# Altium PCB ADCS_PCB_2.PcbDoc (part 2 of 3) (continued)
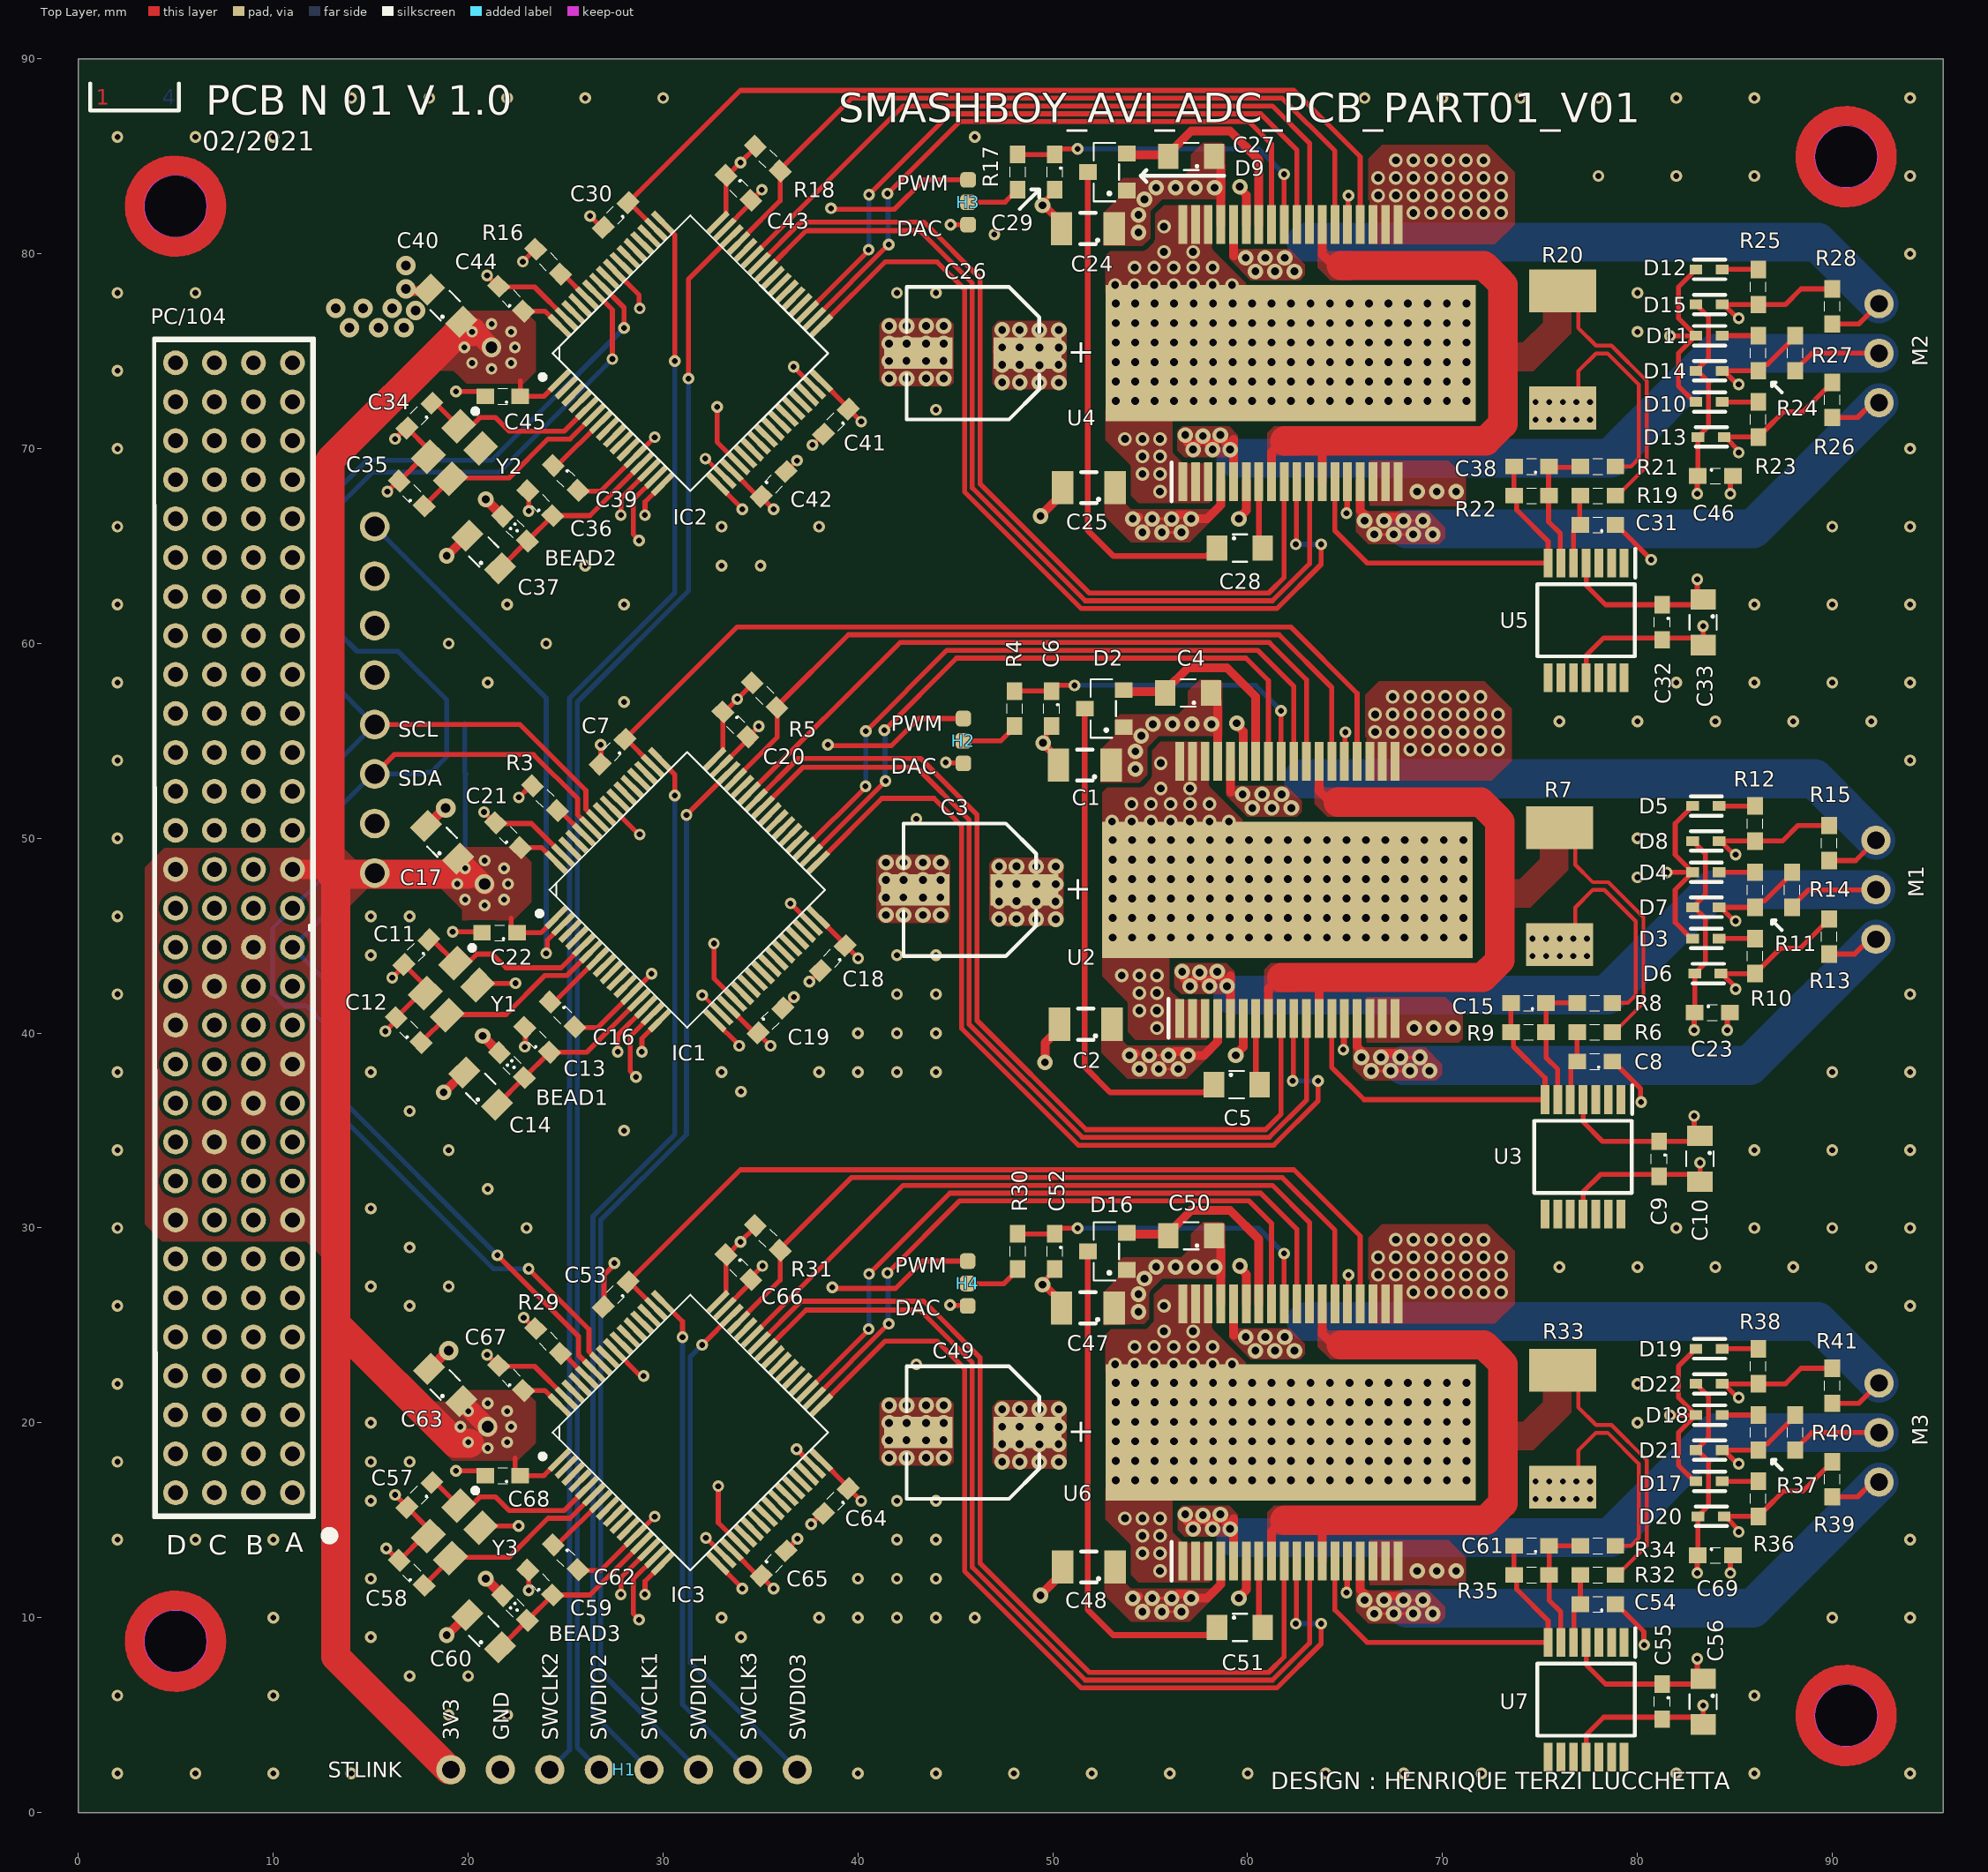
[diagram p0: Top Layer view]
## Nets (pads, with @x,y where several pads share a name; then routed paths per layer and width w, separated by ;. In a path a pad name is that pad's centre, name@x,y a point inside that pad or via, vN(x,y) a via of type N, cw(c..) or ccw(c..) an arc to the next point about the centre after c; other vN are vias at no path point) (continued)
  Top Layer w0.254: R13.2@89.84,44.06 91.143,44.06 91.903,44.82 M1.1@92.24,44.82
  Top Layer w0.45: U2.15@65.615,40.76 65.615,39.301 v3@65.879,39.038 ; v3(66.835,38.765) 66.835,38.865 66.935,38.965 67.541,38.965 67.741,38.765 v3(67.835,38.765)
  Bottom Layer w2: 68.01,38.341 85.761,38.341 M1.1@92.24,44.82
M1_V: M1.2 R14.2 U2.5 | length 46.7
  Top Layer w0.254: R14.2@87.94,46.46 87.94,46.51 88.79,47.36 M1.2@92.24,47.36
  Top Layer w0.45: v3(56.64,43.16) 56.707,43.093 56.707,42.842 57.04,42.509 v3(57.04,42.414) 57.107,42.481 57.107,42.586 57.54,43.019 v3(57.54,43.114) 57.607,43.047 57.607,42.942 58.04,42.509 v3(58.04,42.414) 58.107,42.481 58.107,42.732 58.44,43.065 v3(58.44,43.16) 58.507,43.093 58.507,42.998 58.873,42.632 58.873,42.481 v3(58.94,42.414) ; U2.5@59.115,40.76 59.115,42.315 59.117,42.317 59.117,42.95
  Bottom Layer w2: 59.224,41.96 78.44,41.96 83.84,47.36 M1.2@92.24,47.36
M1_W: M1.3 R15.2 U2.32 | length 35.1
  Top Layer w0.254: R15.2@89.84,48.86 91.2,48.86 M1.3@92.24,49.9
  Top Layer w0.45: U2.32@59.115,53.96 59.115,52.385 59.14,52.36
  Bottom Layer w2: 62.841,53.06 89.08,53.06 M1.3@92.24,49.9
  other v3: 60.24,51.56 61.24,51.56 62.24,51.56 59.74,52.26 60.74,52.26 61.74,52.26
M2_U: M2.1 R26.2 U4.15 | length 38.5
  Top Layer w0.127: v3(66,66.3) 66,66.2 66.5,65.7 v3(66.5,65.6) 66.503,65.603 67.493,65.603 v3(67.495,65.605) v3(68.495,65.605) 68.495,65.705 67.995,66.205 v3(67.995,66.305) 68.795,66.305 v3@68.97,66.13 ; v3(68.995,66.305) 68.995,66.155 69.045,66.155 69.495,65.705 v3(69.495,65.605)
  Top Layer w0.254: R26.2@90,71.6 91.303,71.6 92.063,72.36 M2.1@92.4,72.36
  Top Layer w0.45: U4.15@65.775,68.3 65.775,66.842 v3@66.039,66.578 ; v3(66.995,66.305) 66.995,66.405 67.095,66.505 67.701,66.505 67.901,66.305 v3(67.995,66.305)
  Bottom Layer w2: 68.17,65.881 85.921,65.881 M2.1@92.4,72.36
M2_V: M2.2 R27.2 U4.5 | length 46.7
  Top Layer w0.254: R27.2@88.1,74 88.1,74.05 88.95,74.9 M2.2@92.4,74.9
  Top Layer w0.45: v3(56.8,70.7) 56.867,70.633 56.867,70.382 57.2,70.049 v3(57.2,69.954) 57.267,70.021 57.267,70.126 57.7,70.559 v3(57.7,70.654) 57.767,70.587 57.767,70.482 58.2,70.049 v3(58.2,69.954) 58.267,70.021 58.267,70.272 58.6,70.605 v3(58.6,70.7) 58.667,70.633 58.667,70.538 59.033,70.172 59.033,70.021 v3(59.1,69.954) ; U4.5@59.275,68.3 59.275,69.855 59.277,69.857 59.277,70.49
  Bottom Layer w2: 59.384,69.5 78.6,69.5 84,74.9 M2.2@92.4,74.9
M2_W: M2.3 R28.2 U4.32 | length 35.1
  Top Layer w0.254: R28.2@90,76.4 91.36,76.4 M2.3@92.4,77.44
  Top Layer w0.45: U4.32@59.275,81.5 59.275,79.925 59.3,79.9
  Bottom Layer w2: 63.001,80.6 89.24,80.6 M2.3@92.4,77.44
  other v3: 60.4,79.1 61.4,79.1 62.4,79.1 59.9,79.8 60.9,79.8 61.9,79.8
M3_U: M3.1 R39.2 U6.15 | length 38.5
  Top Layer w0.127: v3(66,10.9) 66,10.8 66.5,10.3 v3(66.5,10.2) 66.503,10.203 67.493,10.203 v3(67.495,10.205) v3(68.495,10.205) 68.495,10.305 67.995,10.805 v3(67.995,10.905) 68.795,10.905 v3@68.97,10.73 ; v3(68.995,10.905) 68.995,10.755 69.045,10.755 69.495,10.305 v3(69.495,10.205)
  Top Layer w0.254: R39.2@90,16.2 91.303,16.2 92.063,16.96 M3.1@92.4,16.96
  Top Layer w0.45: U6.15@65.775,12.9 65.775,11.442 v3@66.039,11.178 ; v3(66.995,10.905) 66.995,11.005 67.095,11.105 67.701,11.105 67.901,10.905 v3(67.995,10.905)
  Bottom Layer w2: 68.17,10.481 85.921,10.481 M3.1@92.4,16.96
M3_V: M3.2 R40.2 U6.5 | length 46.7
  Top Layer w0.254: R40.2@88.1,18.6 88.1,18.65 88.95,19.5 M3.2@92.4,19.5
  Top Layer w0.45: v3(56.8,15.3) 56.867,15.233 56.867,14.982 57.2,14.649 v3(57.2,14.554) 57.267,14.621 57.267,14.726 57.7,15.159 v3(57.7,15.254) 57.767,15.187 57.767,15.082 58.2,14.649 v3(58.2,14.554) 58.267,14.621 58.267,14.872 58.6,15.205 v3(58.6,15.3) 58.667,15.233 58.667,15.138 59.033,14.772 59.033,14.621 v3(59.1,14.554) ; U6.5@59.275,12.9 59.275,14.455 59.277,14.457 59.277,15.09
  Bottom Layer w2: 59.384,14.1 78.6,14.1 84,19.5 M3.2@92.4,19.5
M3_W: M3.3 R41.2 U6.32 | length 35.1
  Top Layer w0.254: R41.2@90,21 91.36,21 M3.3@92.4,22.04
  Top Layer w0.45: U6.32@59.275,26.1 59.275,24.525 59.3,24.5
  Bottom Layer w2: 63.001,25.2 89.24,25.2 M3.3@92.4,22.04
  other v3: 60.4,23.7 61.4,23.7 62.4,23.7 59.9,24.4 60.9,24.4 61.9,24.4
NetC4_2: C4.2 D2.2 U2.30 | length 11.4
  Top Layer w0.45: D2.2@53.64,57.61 53.715,57.535 55.69,57.535 C4.2@55.765,57.46 ; C4.2@55.772,57.453 55.772,57.592 56.94,58.76 58.94,58.76 60.415,57.285 U2.30@60.415,53.96
NetC5_1: C5.1 D2.3 | length 25.5
  Top Layer w0.3: D2.3@51.64,56.66 51.64,38.26 52.94,36.96 57.514,36.96 57.74,36.96 C5.1@58.04,37.26
NetC5_2: C5.2 U2.7 | length 3.1
  Top Layer w0.3: C5.2@60.34,37.66 60.415,37.735 U2.7@60.415,40.76
NetC6_1: C6.1 R4.1 U2.28 | length 16.9
  Top Layer w0.254: R4.1@48.04,57.56 C6.1@49.94,57.56 49.94,57.577 50.213,57.85 v2(51.11,57.85) ; v2(61.71,56.55) 61.712,56.548 61.712,53.963 U2.28@61.715,53.96
  Bottom Layer w0.254: v2(51.11,57.85) 60.41,57.85 v2(61.71,56.55)
NetC8_2: C8.2 R6.2 U3.5 | length 3.8
  Top Layer w0.254: U3.5@76.51,36.45 76.587,36.527 76.587,38.277 76.86,38.55 C8.2@76.91,38.55 R6.2@76.91,40.05
NetC15_1: C15.1 R8.2 R9.1 U3.6 | length 6.8
  Top Layer w0.254: R9.1@75.31,40.05 75.31,38.75 75.91,38.15 U3.6@75.91,36.588 ; R9.1@75.31,40.1 C15.1@75.31,41.55 R8.2@76.91,41.55
NetC27_2: C27.2 D9.2 U4.30 | length 11.4
  Top Layer w0.45: D9.2@53.8,85.15 53.875,85.075 55.85,85.075 C27.2@55.925,85 ; C27.2@55.932,84.993 55.932,85.132 57.1,86.3 59.1,86.3 60.575,84.825 U4.30@60.575,81.5
NetC28_1: C28.1 D9.3 | length 25.5
  Top Layer w0.3: D9.3@51.8,84.2 51.8,65.8 53.1,64.5 57.674,64.5 ; 57.674,64.5 57.9,64.5 C28.1@58.2,64.8
NetC28_2: C28.2 U4.7 | length 3.1
  Top Layer w0.3: C28.2@60.5,65.2 60.575,65.275 U4.7@60.575,68.3
NetC29_1: C29.1 R17.1 U4.28 | length 16.9
  Top Layer w0.254: R17.1@48.2,85.1 C29.1@50.1,85.1 50.1,85.117 50.373,85.39 v2(51.27,85.39) ; v2(61.87,84.09) 61.873,84.088 61.873,81.502 U4.28@61.875,81.5
  Bottom Layer w0.254: v2(51.27,85.39) 60.57,85.39 v2(61.87,84.09)
NetC31_2: C31.2 R19.2 U5.5 | length 3.8
  Top Layer w0.254: U5.5@76.643,63.951 76.72,64.028 76.72,65.778 76.993,66.051 77.043,66.051 R19.2@77.043,67.551
NetC38_1: C38.1 R21.2 R22.1 U5.6 | length 6.8
  Top Layer w0.254: R22.1@75.443,67.551 75.443,66.251 76.043,65.651 U5.6@76.043,64.089 ; R22.1@75.443,67.601 75.443,69.051 R21.2@77.043,69.051
NetC50_2: C50.2 D16.2 U6.30 | length 11.4
  Top Layer w0.45: D16.2@53.8,29.75 53.875,29.675 55.85,29.675 C50.2@55.925,29.6 ; C50.2@55.932,29.593 55.932,29.732 57.1,30.9 59.1,30.9 60.575,29.425 U6.30@60.575,26.1
NetC51_1: C51.1 D16.3 | length 25.5
  Top Layer w0.3: D16.3@51.8,28.8 51.8,10.4 53.1,9.1 57.674,9.1 57.9,9.1 C51.1@58.2,9.4
NetC51_2: C51.2 U6.7 | length 3.1
  Top Layer w0.3: C51.2@60.5,9.8 60.575,9.875 U6.7@60.575,12.9
NetC52_1: C52.1 R30.1 U6.28 | length 16.9
  Top Layer w0.254: R30.1@48.2,29.7 C52.1@50.1,29.7 50.1,29.717 50.373,29.99 v2(51.27,29.99) ; v2(61.87,28.69) 61.873,28.688 61.873,26.103 U6.28@61.875,26.1
  Bottom Layer w0.254: v2(51.27,29.99) 60.57,29.99 v2(61.87,28.69)
NetC54_2: C54.2 R32.2 U7.5 | length 3.8
  Top Layer w0.254: U7.5@76.67,8.59 76.747,8.667 76.747,10.417 77.02,10.69 C54.2@77.07,10.69 R32.2@77.07,12.19
NetC61_1: C61.1 R34.2 R35.1 U7.6 | length 6.8
  Top Layer w0.254: R35.1@75.47,12.19 75.47,10.89 76.07,10.29 U7.6@76.07,8.728 ; R35.1@75.47,12.24 C61.1@75.47,13.69 R34.2@77.07,13.69
NetD3_1: D3.1 R10.2 | length 1.8
  Top Layer w0.254: D3.1@84.19,44.86 R10.2@86.04,44.86
NetD4_1: D4.1 R11.2 | length 1.8
  Top Layer w0.254: D4.1@84.19,48.26 R11.2@86.04,48.26
NetD5_1: D5.1 R12.2 | length 1.8
  Top Layer w0.254: D5.1@84.19,51.66 R12.2@86.04,51.66
NetD10_1: D10.1 R23.2 | length 1.9
  Top Layer w0.254: D10.1@84.35,72.4 R23.2@86.2,72.4
NetD11_1: D11.1 R24.2 | length 1.8
  Top Layer w0.254: D11.1@84.35,75.8 R24.2@86.2,75.8
NetD12_1: D12.1 R25.2 | length 1.8
  Top Layer w0.254: D12.1@84.35,79.2 R25.2@86.2,79.2
NetD17_1: D17.1 R36.2 | length 1.8
  Top Layer w0.254: D17.1@84.35,17 R36.2@86.2,17
NetD18_1: D18.1 R37.2 | length 1.8
  Top Layer w0.254: D18.1@84.35,20.4 R37.2@86.2,20.4
NetD19_1: D19.1 R38.2 | length 1.8
  Top Layer w0.254: D19.1@84.35,23.8 R38.2@86.2,23.8
NetH1_3: H1.3 IC2.49 | length 82.3
  Top Layer w0.254: IC2.49@29.986,81.618 29.986,81.585 30.6,80.971 v2(30.6,74.5)
  Bottom Layer w0.254: H1.3@24.19,2.2 25.2,3.21 25.2,57.2 30.6,62.6 v2(30.6,74.5)
NetH1_4: H1.4 IC2.46 | length 82.4
  Top Layer w0.254: v2(31.3,73.6) 31.3,78.689 IC2.46@33.521,80.91
  Bottom Layer w0.254: H1.4@26.6,2.2 26.6,2.33 25.6,3.33 25.6,57 31.3,62.7 v2(31.3,73.6)
NetH1_5: H1.5 IC1.49 | length 55.1
  Top Layer w0.254: IC1.49@29.826,54.078 29.826,54.045 30.6,53.271 v2(30.6,52.2)
  Bottom Layer w0.254: H1.5@29.27,2.2 26.4,5.07 26.4,30.6 30.6,34.8 v2(30.6,52.2)
NetH1_6: H1.6 IC1.46 | length 56
  Top Layer w0.254: v2(31.2,51.2) 31.2,51.205 33.361,53.366 IC1.46@33.361,53.37
  Bottom Layer w0.254: v2(31.2,51.2) 31.2,34.8 26.8,30.4 26.8,7.21 H1.6@31.81,2.2
NetH1_7: H1.7 IC3.49 | length 25.8
  Top Layer w0.254: IC3.49@29.986,26.218 31,25.203 v2(31,24.4)
  Bottom Layer w0.254: v2(31,24.4) 31,5.55 H1.7@34.35,2.2
NetH1_8: H1.8 IC3.46 | length 26.5
  Top Layer w0.254: v2(32,24) 32.005,24 33.516,25.51 IC3.46@33.521,25.51
  Bottom Layer w0.254: v2(32,24) 31.4,23.4 31.4,7.69 H1.8@36.89,2.2
NetIC1_2: IC1.2 U1.8 | length 27.4
  Top Layer w0.254: v2(24,44.1) 24.065,44.165 24.065,44.781 IC1.2@24.876,45.592
  Bottom Layer w0.254: U1.8@15.2,66 24,57.2 v2(24,44.1)
NetIC1_60: IC1.60 R3.1 | length 1.9
  Top Layer w0.254: R3.1@24.576,51.424 24.701,51.424 IC1.60@25.937,50.188
NetIC2_60: IC2.60 R16.1 | length 1.9
  Top Layer w0.254: R16.1@24.736,78.964 24.861,78.964 IC2.60@26.097,77.728
NetIC3_60: IC3.60 R29.1 | length 1.9
  Top Layer w0.254: R29.1@24.736,23.564 24.854,23.564 26.089,22.328 IC3.60@26.097,22.328
NRST1: C16.1 IC1.7 | length 3.4
  Top Layer w0.254: C16.1@24.204,41.596 24.416,41.596 IC1.7@26.644,43.824
NRST2: C39.1 IC2.7 | length 3.4
  Top Layer w0.254: C39.1@24.364,69.136 24.576,69.136 IC2.7@26.804,71.364
NRST3: C62.1 IC3.7 | length 3.4
  Top Layer w0.254: C62.1@24.364,13.736 24.576,13.736 IC3.7@26.804,15.964
OSC_IN1: C11.1 IC1.5 Y1.1 | length 9.4
  Top Layer w0.254: C11.1@17.976,44.796 18.159,44.796 Y1.1@19.352,43.604 19.986,43.604 20.442,44.06 21.24,44.06 21.94,43.36 24.765,43.36 IC1.5@25.937,44.532
OSC_IN2: C34.1 IC2.5 Y2.1 | length 9.4
  Top Layer w0.254: C34.1@18.136,72.336 18.319,72.336 Y2.1@19.512,71.144 20.146,71.144 20.602,71.6 21.4,71.6 22.1,70.9 24.925,70.9 IC2.5@26.097,72.072
OSC_IN3: C57.1 IC3.5 Y3.1 | length 9.4
  Top Layer w0.254: C57.1@18.136,16.936 18.319,16.936 Y3.1@19.512,15.744 20.146,15.744 20.602,16.2 21.4,16.2 22.1,15.5 24.925,15.5 IC3.5@26.097,16.672
OSC_OUT1: C12.1 IC1.6 Y1.3 | length 10.7
  Top Layer w0.254: C12.1@17.576,39.524 18.928,40.875 Y1.3@18.928,40.916 19.561,40.916 19.65,41.005 19.695,40.96 21.94,40.96 23.94,42.96 25.072,42.96 IC1.6@26.29,44.178
OSC_OUT2: C35.1 IC2.6 Y2.3 | length 10.7
  Top Layer w0.254: C35.1@17.736,67.064 19.088,68.415 Y2.3@19.088,68.456 19.721,68.456 19.81,68.545 19.855,68.5 22.1,68.5 24.1,70.5 25.232,70.5 IC2.6@26.45,71.718
OSC_OUT3: C58.1 IC3.6 Y3.3 | length 10.7
  Top Layer w0.254: C58.1@17.736,11.664 19.088,13.015 Y3.3@19.088,13.056 19.721,13.056 19.81,13.145 19.855,13.1 22.1,13.1 24.1,15.1 25.232,15.1 IC3.6@26.45,16.318
PWM_Cref_M1: H2.1 IC1.56 | length 21.1
  Top Layer w0.254: IC1.56@27.351,51.603 27.354,51.603 28.757,50.2 v2(28.8,50.2) ; v2(38.46,54.8) 38.51,54.75 41.71,54.75 43.11,56.15 H2.1@45.41,56.15
  Int2 (PWR) w0.254: v2(28.8,50.2) 31.81,50.2 36.41,54.8 v2(38.46,54.8)
PWM_Cref_M2: H3.1 IC2.56 | length 22.1
  Top Layer w0.254: IC2.56@27.511,79.143 27.514,79.143 28.776,77.881 28.776,77.224 v2(28.8,77.2) ; v2(38.62,82.34) 38.67,82.29 41.87,82.29 43.38,83.8 H3.1@45.65,83.8
  Int2 (PWR) w0.254: v2(28.8,77.2) 31.43,77.2 36.57,82.34 v2(38.62,82.34)
PWM_Cref_M3: H4.1 IC3.56 | length 21.2
  Top Layer w0.254: IC3.56@27.511,23.743 28.787,22.466 28.934,22.466 v2(29,22.4) ; v2(38.68,26.95) 38.73,26.9 41.93,26.9 43.33,28.3 H4.1@45.63,28.3
  Int2 (PWR) w0.254: v2(29,22.4) 32.08,22.4 36.63,26.95 v2(38.68,26.95)
VDDA1: BEAD1.1 C13.1 C14.1 IC1.13 | length 9.5
  Top Layer w0.254: C14.1@21.471,36.329 21.482,36.329 BEAD1.1@22.876,37.724 C13.1@24.176,39.024 24.212,38.988 24.598,38.988 24.633,39.024 26.085,39.024 IC1.13@28.765,41.703
VDDA2: BEAD2.1 C36.1 C37.1 IC2.13 | length 9.5
  Top Layer w0.254: C37.1@21.631,63.869 21.642,63.869 BEAD2.1@23.036,65.264 C36.1@24.336,66.564 24.372,66.528 24.758,66.528 24.793,66.564 26.245,66.564 IC2.13@28.925,69.243
VDDA3: BEAD3.1 C59.1 C60.1 IC3.13 | length 9.5
  Top Layer w0.254: C60.1@21.631,8.469 21.642,8.469 BEAD3.1@23.036,9.864 C59.1@24.336,11.164 24.372,11.128 24.758,11.128 24.793,11.164 26.245,11.164 IC3.13@28.925,13.843
Vshunt_M1: R6.1 R7.2 U2.8 U2.12 U2.25 | length 47.4
  Top Layer w0.2: R7.2@76.01,50.55 76.81,49.75 76.81,48.65 77.71,47.75 78.51,47.75 80.31,45.95 80.31,41.55 79.11,40.35 79.06,40.35 78.81,40.1 R6.1@78.81,40.05
  Top Layer w0.45: U2.8@61.065,40.76 61.065,42.285 61.74,42.96 ; 63.64,42.76 63.665,42.735 U2.12@63.665,40.76 ; U2.25@63.665,53.96 63.665,52.435 64.34,51.76
  Top Layer w1.5: 61.74,42.86 72.061,42.86 72.94,43.739 72.94,46.76 ; 64.643,51.86 71.961,51.86 72.84,50.981 ; 72.94,46.943 72.94,50.86
Vshunt_M2: R19.1 R20.2 U4.8 U4.12 U4.25 | length 47.4
  Top Layer w0.2: R20.2@76.17,78.09 76.97,77.29 76.97,76.19 77.87,75.29 78.67,75.29 80.47,73.49 80.47,69.09 79.27,67.89 79.22,67.89 78.97,67.64 R19.1@78.97,67.59
  Top Layer w0.45: U4.8@61.225,68.3 61.225,69.825 61.9,70.5 ; 63.8,70.3 63.825,70.275 U4.12@63.825,68.3 ; U4.25@63.825,81.5 63.825,79.975 64.5,79.3
  Top Layer w1.5: 61.9,70.4 72.221,70.4 73.1,71.279 73.1,74.3 ; 64.803,79.4 72.121,79.4 73,78.521 ; 73.1,74.483 73.1,78.4
Vshunt_M3: R32.1 R33.2 U6.8 U6.12 U6.25 | length 47.4
  Top Layer w0.2: R33.2@76.17,22.69 76.97,21.89 76.97,20.79 77.87,19.89 78.67,19.89 80.47,18.09 80.47,13.69 79.27,12.49 79.22,12.49 78.97,12.24 R32.1@78.97,12.19
  Top Layer w0.45: U6.8@61.225,12.9 61.225,14.425 61.9,15.1 ; 63.8,14.9 63.825,14.875 U6.12@63.825,12.9 ; U6.25@63.825,26.1 63.825,24.575 64.5,23.9
  Top Layer w1.5: 61.9,15 72.221,15 73.1,15.879 73.1,18.9 ; 64.803,24 72.121,24 73,23.121 ; 73.1,19.083 73.1,23
pads on no net: IC1.3 IC1.4 IC1.8 IC1.9 IC1.10 IC1.11 IC1.21 IC1.22 IC1.23 IC1.24 IC1.25 IC1.26 IC1.27 IC1.28 IC1.29 IC1.30 IC1.36 IC1.37 IC1.38 IC1.39 IC1.40 IC1.44 IC1.51 IC1.52 IC1.53 IC1.54 IC1.55 IC1.57 IC1.61 IC1.62 IC2.2 IC2.3 IC2.4 IC2.8 IC2.9 IC2.10 IC2.11 IC2.21 IC2.22 IC2.23 IC2.24 IC2.25 IC2.26 IC2.27 IC2.28 IC2.29 IC2.30 IC2.36 IC2.37 IC2.38 IC2.39 IC2.40 IC2.44 IC2.51 IC2.52 IC2.53 IC2.54 IC2.55 IC2.57 IC2.61 IC2.62 IC3.2 IC3.3 IC3.4 IC3.8 IC3.9 IC3.10 IC3.11 IC3.21 IC3.22 IC3.23 IC3.24 IC3.25 IC3.26 IC3.27 IC3.28 IC3.29 IC3.30 IC3.36 IC3.37 IC3.38 IC3.39 IC3.40 IC3.44 IC3.51 IC3.52 IC3.53 IC3.54 IC3.55 IC3.57 IC3.61 IC3.62 PC/104.2 PC/104.3 PC/104.4 PC/104.6 PC/104.7 PC/104.9 PC/104.11 PC/104.13 PC/104.18 PC/104.19 PC/104.21 PC/104.22 PC/104.23 PC/104.25 PC/104.26 PC/104.27 PC/104.31 PC/104.32 PC/104.34 PC/104.35 PC/104.36 PC/104.37 PC/104.38 PC/104.40 PC/104.42 PC/104.44 PC/104.46 PC/104.47 PC/104.49 PC/104.50 PC/104.51 PC/104.52 PC/104.54 PC/104.55 PC/104.56 PC/104.57 PC/104.58 PC/104.59 PC/104.60 PC/104.61 PC/104.62 PC/104.63 PC/104.65 PC/104.66 PC/104.68 PC/104.69 PC/104.71 PC/104.73 PC/104.75 PC/104.77 PC/104.78 PC/104.79 PC/104.80 PC/104.81 PC/104.83 PC/104.84 PC/104.85 PC/104.87 PC/104.88 PC/104.89 PC/104.90 PC/104.91 PC/104.92 PC/104.93 PC/104.94 PC/104.96 PC/104.97 PC/104.99 PC/104.100 PC/104.102 PC/104.104 PC/104.106 PC/104.108 PC/104.109 PC/104.111 PC/104.112 PC/104.113 PC/104.114 PC/104.116 PC/104.118 PC/104.119 PC/104.120 U1.6 U1.7 U3.1 U3.2 U3.3 U3.8 U3.9 U3.10 U3.12 U3.13 U3.14 U5.1 U5.2 U5.3 U5.8 U5.9 U5.10 U5.12 U5.13 U5.14 U7.1 U7.2 U7.3 U7.8 U7.9 U7.10 U7.12 U7.13 U7.14
copper on no net: | length 105.6
  Top Layer w1: 7.08,8.79 ccw(c4.98,8.79) 7.08,8.79 ; 7.08,82.45 ccw(c4.98,82.45) 7.08,82.45 ; 92.81,4.98 ccw(c90.71,4.98) 92.81,4.98 ; 92.81,84.99 ccw(c90.71,84.99) 92.81,84.99
  Bottom Layer w1: 7.08,8.79 ccw(c4.98,8.79) 7.08,8.79 ; 7.08,82.45 ccw(c4.98,82.45) 7.08,82.45 ; 92.81,4.98 ccw(c90.71,4.98) 92.81,4.98 ; 92.81,84.99 ccw(c90.71,84.99) 92.81,84.99

## Polygon pours and split planes (outlines as drawn)
3V3 on Top Layer "NONET_L-01_P-001" (solid, pour order 283): 12.6,28.4 11.6,29.4 12.6,29.4
3V3 on Top Layer "NONET_L-01_P-001" (solid, pour order 280): 19.1,21.1 18,21.1 18.6,20.5
3V3 on Top Layer "NONET_L-01_P-001" (solid, pour order 279): 18.35,74 19.45,74 18.85,74.6
3V3 on Top Layer "NONET_L-01_P-001" (solid, pour order 274): 13.4,28.4 12.4,29.4 13.4,29.4
3V3 on Top Layer "NONET_L-01_P-001" (solid, pour order 273): 14.9,47.5 13.9,46.5 13.9,47.5
3V3 on Top Layer "NONET_L-01_P-001" (solid, pour order 272): 13.3,49.8 14.3,48.8 13.3,48.8
3V3 on Top Layer "NONET_L-01_P-001" (solid, pour order 271): 11.2,49.4 12.2,50.4 12.2,49.4
3V3 on Top Layer "NONET_L-01_P-001" (solid, pour order 270): 3.4,48.5 4.4,49.5 13.3,49.5 13.3,29.3 4.3,29.3 3.4,30.2
3V3 on Top Layer "NONET_L-01_P-001" (solid, pour order 264): 19.2,18.05 18.45,18.8 18.45,20.63 19.51,21.69 22.86,21.69 23.46,21.09 23.46,18.96 22.55,18.05
3V3 on Top Layer "NONET_L-01_P-001" (solid, pour order 263): 19.91,73.34 18.81,74.44 18.81,76.39 19.51,77.09 22.86,77.09 23.46,76.49 23.46,73.95 22.85,73.34
3V3 on Top Layer "NONET_L-01_P-001" (solid, pour order 262): 19.7,45.8 19.7,46.325 18.6,47.425 18.6,48.825 19.325,49.55 22.475,49.55 23.25,48.775 23.25,46.725 22.325,45.8
GND on Top Layer "NONET_L-01_P-001" (solid, pour order 258): 71,67.05 71.2,67.25 71.2,68.5 70.2,69.5 66.3,69.5 66.1,69.3 66.1,67.25 66.3,67.05
GND on Top Layer "NONET_L-01_P-001" (solid, pour order 257): 66.2,80.5 72.7,80.5 73.7,81.5 73.7,84.2 72.3,85.6 66.9,85.6 66.2,84.9
GND on Top Layer "NONET_L-01_P-001" (solid, pour order 256): 44.7,73.2 44.9,73.4 44.9,76.4 44.6,76.7 41.4,76.7 41.1,76.4 41.1,73.5 41.4,73.2
GND on Top Layer "NONET_L-01_P-001" (solid, pour order 255): 58.2,82.5 58.2,80.2 59.9,78.5 59.9,78 52.7,78 52.7,79.9 53,80.2 54.8,80.2 55.2,80.6 55.2,82 55.7,82.5
GND on Top Layer "NONET_L-01_P-001" (solid, pour order 254): 58.2,67.3 58.1,67.2 54.4,67.2 54,67.6 54,69.15 52.7,70.45 52.7,72 55.6,72 56.15,71.45 56.15,69.8 56.7,69.25 58.2,69.25
Vshunt_M2 on Top Layer "NONET_L-01_P-001" (solid, pour order 253): 72.82,75.44 74.12,75.44 75.15,76.47 75.15,77.54 76.6,77.54 76.6,75.92 74.67,73.99 72.82,73.99
Vshunt_M2 on Top Layer "NONET_L-01_P-001" (solid, pour order 252): 65.4,78.65 64.25,78.65 63.6,79.3 63.6,80.5 64.053,80.5 64.053,80.247 64.154,80.146 65.4,80.146
Vshunt_M2 on Top Layer "NONET_L-01_P-001" (solid, pour order 251): 62.7,69.649 61.463,69.649 61.314,69.5 61.2,69.5 61,69.7 61,70.8 61.349,71.149 62.7,71.149
M2_U on Top Layer "NONET_L-01_P-001" (solid, pour order 249): 69.84,65.104 70.14,65.404 70.14,65.961 69.297,66.804 65.554,66.804 65.554,65.746 66.196,65.104
M2_V on Top Layer "NONET_L-01_P-001" (solid, pour order 247): 56.799,69.5 56.4,69.899 56.4,70.9 56.7,71.2 59,71.2 59.494,70.706 59.494,69.846 59.148,69.5
M2_W on Top Layer "NONET_L-01_P-001" (solid, pour order 245): 62.64,78.604 62.94,78.904 62.94,79.461 62.097,80.304 59.053,80.304 59.053,79.742 60.192,78.604
12V on Top Layer "NONET_L-01_P-001" (solid, pour order 241): 52.6,82.1 53.5,83 55.8,83 55,82.2 55,80.8 54.6,80.4 52.6,80.4
12V on Top Layer "NONET_L-01_P-001" (solid, pour order 240): 58.85,82.8 58.85,85.55 58.7,85.7 57.7,85.7 57.1,85.1 57.1,84.4 56.6,83.9 53.6,83.9 53.357,83.657 53.357,82.943 53.5,82.8
12V on Top Layer "NONET_L-01_P-001" (solid, pour order 238): 50.5,73.05 50.7,73.25 50.7,76.25 50.4,76.55 47.2,76.55 46.9,76.25 46.9,73.35 47.2,73.05
12V on Top Layer "NONET_L-01_P-001" (solid, pour order 237): 54.001,65.199 52.656,66.544 52.656,67.256 52.8,67.4 53.5,67.4 54.001,66.899 58.718,66.899 57.018,65.199
GND on Top Layer "NONET_L-01_P-001" (solid, pour order 226): 44.7,17.8 44.9,18 44.9,21 44.6,21.3 41.4,21.3 41.1,21 41.1,18.1 41.4,17.8
GND on Top Layer "NONET_L-01_P-001" (solid, pour order 225): 71,11.65 71.2,11.85 71.2,13.1 70.2,14.1 66.3,14.1 66.1,13.9 66.1,11.85 66.3,11.65
12V on Top Layer "NONET_L-01_P-001" (solid, pour order 221): 52.6,26.7 53.5,27.6 55.8,27.6 55,26.8 55,25.4 54.6,25 52.6,25
12V on Top Layer "NONET_L-01_P-001" (solid, pour order 220): 58.85,27.4 58.85,30.15 58.7,30.3 57.7,30.3 57.1,29.7 57.1,29 56.6,28.5 53.6,28.5 53.357,28.257 53.357,27.543 53.5,27.4
12V on Top Layer "NONET_L-01_P-001" (solid, pour order 218): 50.5,17.65 50.7,17.85 50.7,20.85 50.4,21.15 47.2,21.15 46.9,20.85 46.9,17.95 47.2,17.65
12V on Top Layer "NONET_L-01_P-001" (solid, pour order 217): 54.001,9.799 52.656,11.144 52.656,11.856 52.8,12 53.5,12 54.001,11.499 58.718,11.499 57.018,9.799
M3_U on Top Layer "NONET_L-01_P-001" (solid, pour order 215): 69.84,9.704 70.14,10.004 70.14,10.561 69.297,11.404 65.554,11.404 65.554,10.346 66.196,9.704
M3_V on Top Layer "NONET_L-01_P-001" (solid, pour order 213): 56.799,14.1 56.4,14.499 56.4,15.5 56.7,15.8 59,15.8 59.494,15.306 59.494,14.446 59.148,14.1
M3_W on Top Layer "NONET_L-01_P-001" (solid, pour order 211): 62.64,23.204 62.94,23.504 62.94,24.061 62.097,24.904 59.053,24.904 59.053,24.342 60.192,23.204
GND on Top Layer "NONET_L-01_P-001" (solid, pour order 210): 58.2,27.1 58.2,24.8 59.9,23.1 59.9,22.6 52.7,22.6 52.7,24.5 53,24.8 54.8,24.8 55.2,25.2 55.2,26.6 55.7,27.1
GND on Top Layer "NONET_L-01_P-001" (solid, pour order 209): 58.2,11.9 58.1,11.8 54.4,11.8 54,12.2 54,13.75 52.7,15.05 52.7,16.6 55.6,16.6 56.15,16.05 56.15,14.4 56.7,13.85 58.2,13.85
GND on Top Layer "NONET_L-01_P-001" (solid, pour order 208): 66.2,25.1 72.7,25.1 73.7,26.1 73.7,28.8 72.3,30.2 66.9,30.2 66.2,29.5
Vshunt_M3 on Top Layer "NONET_L-01_P-001" (solid, pour order 206): 72.82,20.04 74.12,20.04 75.15,21.07 75.15,22.14 76.6,22.14 76.6,20.52 74.67,18.59 72.82,18.59
Vshunt_M3 on Top Layer "NONET_L-01_P-001" (solid, pour order 205): 65.4,23.25 64.25,23.25 63.6,23.9 63.6,25.1 64.053,25.1 64.053,24.847 64.154,24.746 65.4,24.746
Vshunt_M3 on Top Layer "NONET_L-01_P-001" (solid, pour order 204): 62.7,14.249 61.463,14.249 61.314,14.1 61.2,14.1 61,14.3 61,15.4 61.349,15.749 62.7,15.749
M1_V on Top Layer "NONET_L-01_P-001" (solid, pour order 28): 56.639,41.96 56.24,42.359 56.24,43.36 56.54,43.66 58.84,43.66 59.334,43.166 59.334,42.306 58.988,41.96
12V on Top Layer "NONET_L-01_P-001" (solid, pour order 29): 53.841,37.659 52.496,39.004 52.496,39.716 52.64,39.86 53.34,39.86 53.841,39.359 58.558,39.359 56.858,37.659
Vshunt_M1 on Top Layer "NONET_L-01_P-001" (solid, pour order 30): 62.54,42.109 61.303,42.109 61.154,41.96 61.04,41.96 60.84,42.16 60.84,43.26 61.189,43.609 62.54,43.609
Vshunt_M1 on Top Layer "NONET_L-01_P-001" (solid, pour order 31): 65.24,51.11 64.09,51.11 63.44,51.76 63.44,52.96 63.893,52.96 63.893,52.707 63.994,52.606 65.24,52.606
M1_U on Top Layer "NONET_L-01_P-001" (solid, pour order 38): 69.68,37.564 69.98,37.864 69.98,38.421 69.137,39.264 65.394,39.264 65.394,38.206 66.036,37.564
12V on Top Layer "NONET_L-01_P-001" (solid, pour order 41): 50.34,45.51 50.54,45.71 50.54,48.71 50.24,49.01 47.04,49.01 46.74,48.71 46.74,45.81 47.04,45.51
12V on Top Layer "NONET_L-01_P-001" (solid, pour order 64): 58.69,55.26 58.69,58.01 58.54,58.16 57.54,58.16 56.94,57.56 56.94,56.86 56.44,56.36 53.44,56.36 53.197,56.117 53.197,55.403 53.34,55.26
12V on Top Layer "NONET_L-01_P-001" (solid, pour order 65): 52.44,54.56 53.34,55.46 55.64,55.46 54.84,54.66 54.84,53.26 54.44,52.86 52.44,52.86
M1_W on Top Layer "NONET_L-01_P-001" (solid, pour order 67): 62.48,51.064 62.78,51.364 62.78,51.921 61.937,52.764 58.893,52.764 58.893,52.202 60.032,51.064
GND on Top Layer "NONET_L-01_P-001" (solid, pour order 91): 58.04,39.76 57.94,39.66 54.24,39.66 53.84,40.06 53.84,41.61 52.54,42.91 52.54,44.46 55.44,44.46 55.99,43.91 55.99,42.26 56.54,41.71 58.04,41.71
GND on Top Layer "NONET_L-01_P-001" (solid, pour order 93): 58.04,54.96 58.04,52.66 59.74,50.96 59.74,50.46 52.54,50.46 52.54,52.36 52.84,52.66 54.64,52.66 55.04,53.06 55.04,54.46 55.54,54.96
GND on Top Layer "NONET_L-01_P-001" (solid, pour order 94): 70.84,39.51 71.04,39.71 71.04,40.96 70.04,41.96 66.14,41.96 65.94,41.76 65.94,39.71 66.14,39.51
GND on Top Layer "NONET_L-01_P-001" (solid, pour order 104): 44.54,45.66 44.74,45.86 44.74,48.86 44.44,49.16 41.24,49.16 40.94,48.86 40.94,45.96 41.24,45.66
GND on Top Layer "NONET_L-01_P-001" (solid, pour order 145): 66.04,52.96 72.54,52.96 73.54,53.96 73.54,56.66 72.14,58.06 66.74,58.06 66.04,57.36
Vshunt_M1 on Top Layer "NONET_L-01_P-001" (solid, pour order 158): 72.66,47.9 73.96,47.9 74.99,48.93 74.99,50 76.44,50 76.44,48.38 74.51,46.45 72.66,46.45
GND on Int2 (PWR) "NONET_L-01_P-001" (solid, remove dead copper, pour order 284): 0,0 0,90 95.7,90 95.7,0
3V3 on Int2 (PWR) "NONET_L-01_P-001" (solid, pour order 269): 19.26,74.44 20.36,73.34 22.11,73.34 23.11,74.34 23.11,76.34 22.36,77.09 20.16,77.09 19.26,76.19
3V3 on Int2 (PWR) "NONET_L-01_P-001" (solid, pour order 268): 19.06,19.04 20.16,17.94 21.91,17.94 22.91,18.94 22.91,20.94 22.16,21.69 19.96,21.69 19.06,20.79
3V3 on Int2 (PWR) "NONET_L-01_P-001" (solid, pour order 265): 18.9,46.9 20,45.8 21.75,45.8 22.75,46.8 22.75,48.8 22,49.55 19.8,49.55 18.9,48.65
12V on Int2 (PWR) "NONET_L-01_P-001" (solid, pour order 243): 46.72,70.052 49.182,67.59 51.97,67.59 51.97,80.84 49.114,80.84 46.72,78.446
12V on Int2 (PWR) "NONET_L-01_P-001" (solid, pour order 242): 57.77,84.84 53.12,84.84 51.42,83.14 51.42,77.69 51.77,77.69 55.12,81.04 55.12,82.09 55.67,82.64 58.34,82.64 58.8,83.1 58.8,83.81
12V on Int2 (PWR) "NONET_L-01_P-001" (solid, pour order 239): 56.19,64.39 57.7,65.9 57.7,66.66 57.07,67.29 55.12,67.29 54.42,67.99 50.97,67.99 50.97,65.84 52.42,64.39
3V3 on Int2 (PWR) "NONET_L-01_P-001" (solid, pour order 236): 22.95,68.75 cw(c22.95,69.8) 21.9,69.8 21.9,70 ccw(c21.9,69.6) 21.5,69.6 21.5,66.959 21.901,66.959 cw(c22.95,67) 22.95,68.05
3V3 on Int2 (PWR) "NONET_L-01_P-001" (solid, pour order 235): 22.79,41.21 cw(c22.79,42.26) 21.74,42.26 21.74,42.46 ccw(c21.74,42.06) 21.34,42.06 21.34,39.419 21.741,39.419 cw(c22.79,39.46) 22.79,40.51
3V3 on Int2 (PWR) "NONET_L-01_P-001" (solid, pour order 234): 79.2,59.25 79.479,59.25 ccw(c79.479,60.821) 80.59,59.71 80.59,61.1 cw(c79.697,61.993) 79.697,60.73 79.19,60.73
3V3 on Int2 (PWR) "NONET_L-01_P-001" (solid, pour order 233): 26.36,62.2 27.086,61.474 ccw(c28.882,63.27) 28.882,60.73 29.19,60.73 cw(c29.118,60.658) 29.22,60.658 29.22,60.43 ccw(c29.22,60.382) 29.186,60.416 28.02,59.25 27.063,59.25 cw(c27.094,60.683) 26.058,59.692 25.69,60.06 25.69,61.29
3V3 on Int2 (PWR) "NONET_L-01_P-001" (solid, pour order 232): 35.92,67.99 cw(c35.92,67.85) 36.06,67.85 36.06,67.84 36.11,67.84 ccw(c36.11,68.01) 36.28,68.01 ccw(c36.2,68.01) 36.2,68.09 35.92,68.09
3V3 on Int2 (PWR) "NONET_L-01_P-001" (solid, pour order 228): 22.95,13.35 cw(c22.95,14.4) 21.9,14.4 21.9,14.6 ccw(c21.9,14.2) 21.5,14.2 21.5,11.559 21.901,11.559 cw(c22.95,11.6) 22.95,12.65
12V on Int2 (PWR) "NONET_L-01_P-001" (solid, pour order 223): 46.72,14.652 49.182,12.19 51.97,12.19 51.97,25.44 49.114,25.44 46.72,23.046
12V on Int2 (PWR) "NONET_L-01_P-001" (solid, pour order 222): 57.77,29.44 53.12,29.44 51.42,27.74 51.42,22.29 51.77,22.29 55.12,25.64 55.12,26.69 55.67,27.24 58.34,27.24 58.8,27.7 58.8,28.41
12V on Int2 (PWR) "NONET_L-01_P-001" (solid, pour order 219): 56.19,8.99 57.7,10.5 57.7,11.26 57.07,11.89 55.12,11.89 54.42,12.59 50.97,12.59 50.97,10.44 52.42,8.99
3V3 on Int2 (PWR) "NONET_L-01_P-001" (solid, pour order 203): 79.2,3.85 79.479,3.85 ccw(c79.479,5.421) 80.59,4.31 80.59,5.7 cw(c79.697,6.593) 79.697,5.33 79.19,5.33
3V3 on Int2 (PWR) "NONET_L-01_P-001" (solid, pour order 202): 26.36,6.8 27.086,6.074 ccw(c28.882,7.87) 28.882,5.33 29.19,5.33 cw(c29.118,5.258) 29.22,5.258 29.22,5.03 ccw(c29.22,4.982) 29.186,5.016 28.02,3.85 27.063,3.85 cw(c27.094,5.283) 26.058,4.292 25.69,4.66 25.69,5.89
3V3 on Int2 (PWR) "NONET_L-01_P-001" (solid, pour order 201): 35.92,12.59 cw(c35.92,12.45) 36.06,12.45 36.06,12.44 36.11,12.44 ccw(c36.11,12.61) 36.28,12.61 ccw(c36.2,12.61) 36.2,12.69 35.92,12.69
12V on Int2 (PWR) "NONET_L-01_P-001" (solid, pour order 42): 56.03,36.85 57.54,38.36 57.54,39.12 56.91,39.75 54.96,39.75 54.26,40.45 50.81,40.45 50.81,38.3 52.26,36.85